# KiCad board scanhead_pcb.kicad_pcb (continued)
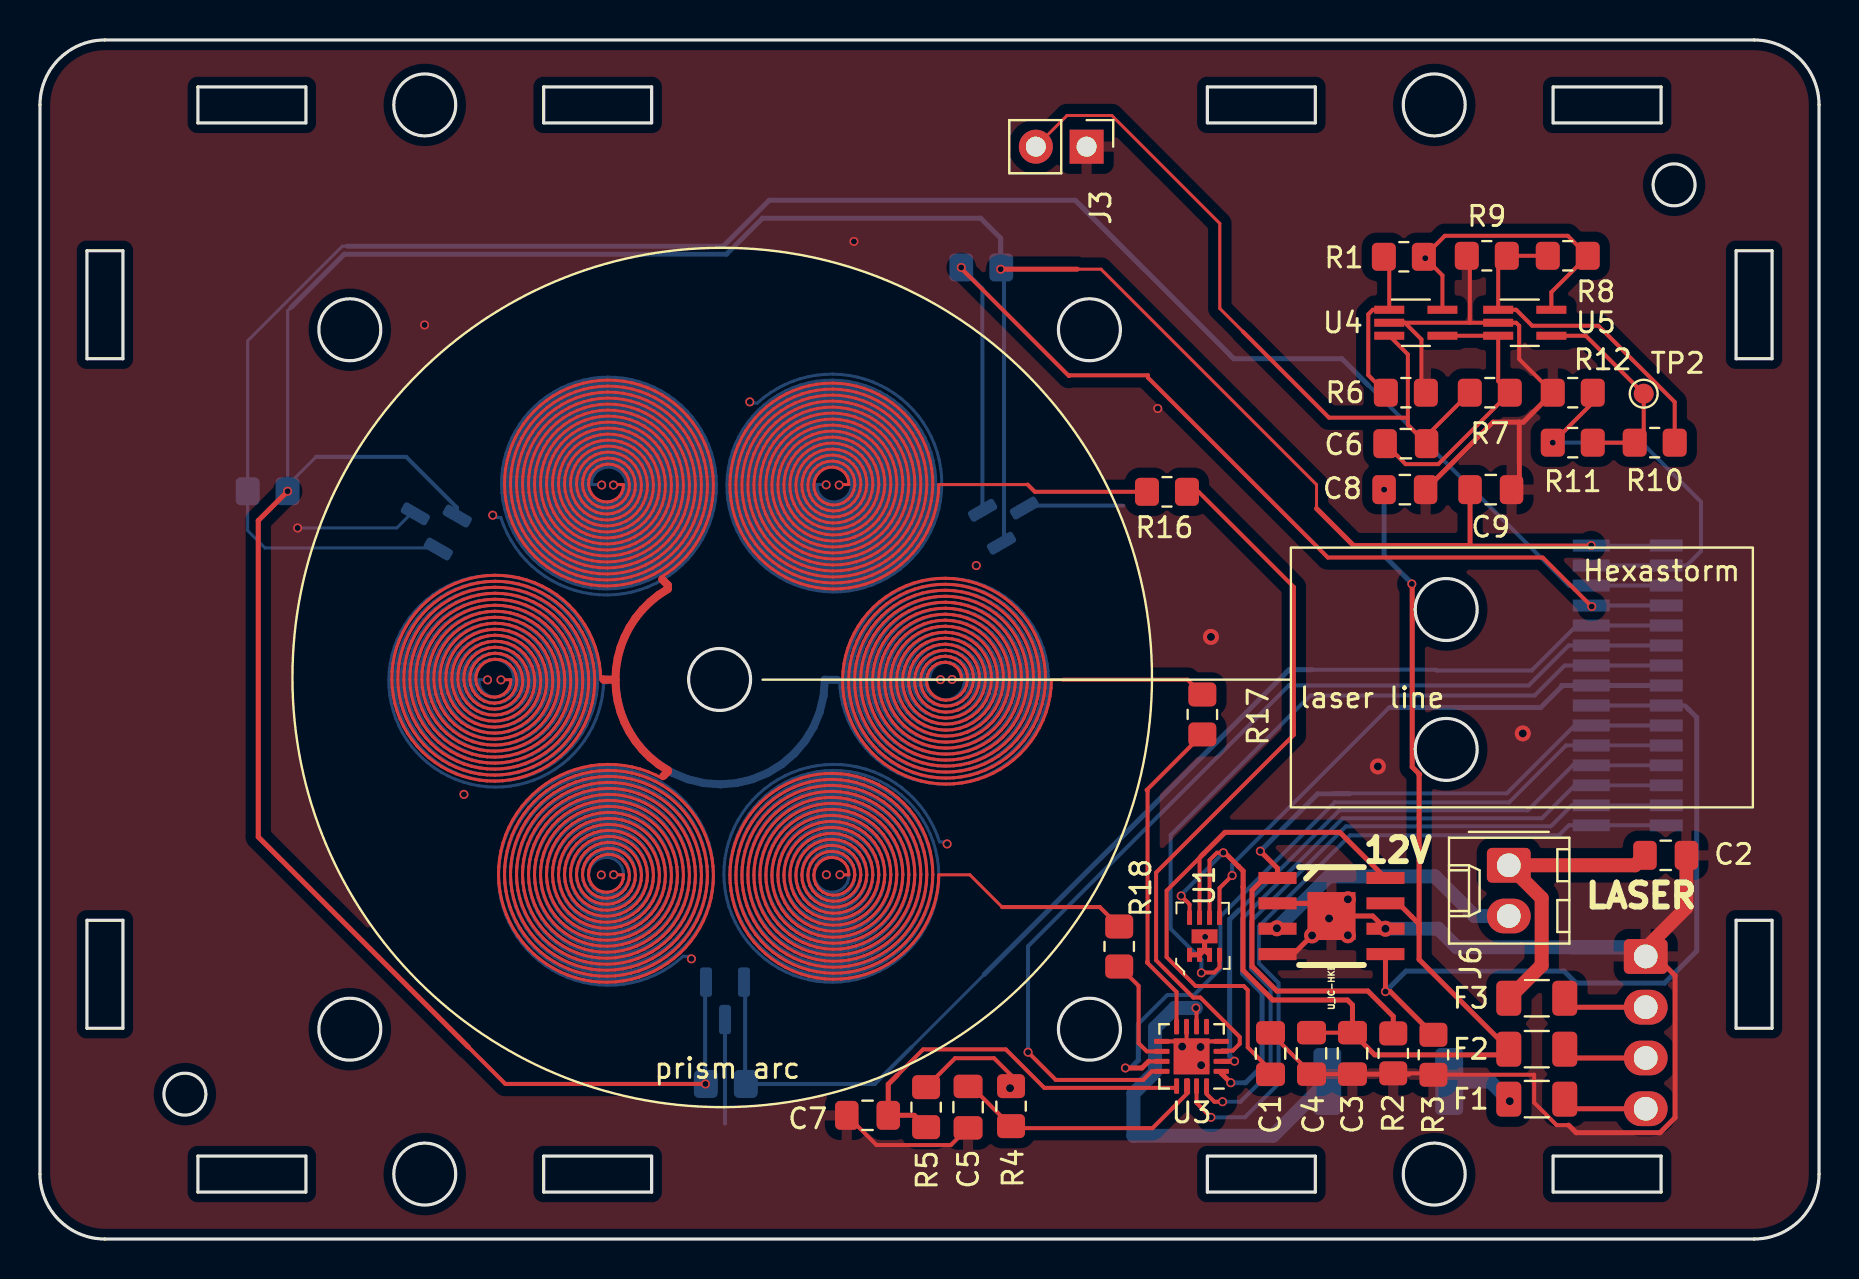
[diagram p0: board, top side]
## Routing (per net, layer and track width the routed paths; a pad name or vN(x,y) marks a point on that pad's centre or on a via; arc(x,y) is an arc through that point) (continued)
22.09,26.16 21.78,26.3 21.49,26.49 21.25,26.73 21.04,27 20.89,27.31 20.79,27.64 20.75,27.99 20.77,28.3 20.84,28.61 20.95,28.91 21.11,29.18 21.31,29.43 21.55,29.64 21.82,29.82 22.12,29.95 22.43,30.03 22.75,30.06 23.08,30.05 23.4,29.98 23.7,29.86 23.99,29.69 24.25,29.48 24.47,29.24 24.65,28.96 24.78,28.65 24.87,28.32 24.9,27.99 24.88,27.65 24.81,27.32 24.69,27 24.52,26.71 24.3,26.44 24.04,26.21 23.75,26.03 23.43,25.89 23.1,25.8 22.75,25.76 22.4,25.78 22.06,25.86 21.73,25.99 21.43,26.16 21.15,26.39 20.92,26.66 20.72,26.96 20.58,27.28 20.49,27.63 20.45,27.99 20.47,28.32 20.53,28.64 20.64,28.95 20.79,29.25 20.99,29.52 21.22,29.76 21.48,29.96 21.77,30.13 22.09,30.26 22.41,30.33 22.75,30.36 23.09,30.35 23.42,30.28 23.75,30.17 24.05,30.01 24.33,29.81 24.58,29.57 24.79,29.3 24.96,29 25.09,28.68 25.17,28.34 25.2,27.99 25.18,27.64 25.12,27.3 25,26.96 24.84,26.65 24.63,26.36 24.38,26.11 24.1,25.89 23.79,25.71 23.46,25.58 23.11,25.5 22.75,25.46 22.39,25.48 22.04,25.55 21.69,25.67 21.37,25.84 21.08,26.06 20.81,26.31 20.59,26.6 20.41,26.92 20.27,27.26 20.19,27.62 20.15,27.99 20.17,28.33 20.23,28.67 20.33,28.99 20.48,29.3 20.66,29.59 20.89,29.85 21.14,30.09 21.43,30.28 21.74,30.44 22.06,30.56 22.4,30.64 22.75,30.66 23.1,30.65 23.45,30.59 23.78,30.48 24.1,30.33 24.4,30.14 24.67,29.91 24.91,29.64 25.11,29.35 25.28,29.03 25.4,28.7 25.47,28.35 25.5,27.99 25.48,27.63 25.42,27.27 25.31,26.93 25.16,26.6 24.96,26.3 24.72,26.02 24.45,25.77 24.15,25.56 23.83,25.4 23.48,25.27 23.12,25.19 22.75,25.16 22.38,25.18 22.02,25.25 21.66,25.36 21.33,25.52 21.01,25.72 20.73,25.97 20.48,26.24 20.26,26.55 20.09,26.89 19.96,27.24 19.88,27.61 19.85,27.99 19.87,28.34 19.93,28.69 20.02,29.02 20.16,29.35 20.34,29.65 20.56,29.94 20.8,30.19 21.08,30.41 21.38,30.6 21.7,30.75 22.04,30.87 22.39,30.94 22.75,30.96 23.11,30.95 23.47,30.89 23.81,30.79 24.15,30.64 24.46,30.46 24.75,30.24 25.01,29.99 25.24,29.71 25.43,29.4 25.59,29.06 25.7,28.72 25.77,28.36 25.8,27.99 25.79,27.62 25.72,27.26 25.62,26.9 25.47,26.56 25.29,26.24 25.06,25.94 24.8,25.68 24.51,25.44 24.19,25.24 23.85,25.08 23.5,24.97 23.13,24.89 22.75,24.86 22.37,24.88 22,24.94 21.64,25.05 21.29,25.2 20.96,25.39 20.66,25.62 20.38,25.89 20.14,26.19 19.94,26.51 19.78,26.86 19.66,27.23 19.58,27.6 19.55,27.99 19.57,28.35 19.62,28.7 19.72,29.05 19.85,29.39 20.02,29.71 20.22,30 20.46,30.28 20.73,30.52 21.02,30.74 21.34,30.92 21.68,31.07 22.03,31.17 22.39,31.24 22.75,31.26 23.12,31.25 23.48,31.19 23.84,31.1 24.18,30.96 24.51,30.79 24.81,30.57 25.09,30.33 25.35,30.06 25.57,29.76 25.75,29.43 25.9,29.09 26.01,28.73 26.08,28.36 26.1,27.99 26.09,27.61 26.03,27.24 25.93,26.88 25.79,26.53 25.61,26.19 25.4,25.88 25.15,25.59 24.87,25.34 24.56,25.11 24.23,24.92 23.88,24.77 23.51,24.66 23.13,24.59 22.75,24.56 22.37,24.58 21.99,24.64 21.62,24.74 21.26,24.88 20.92,25.07 20.6,25.29 20.3,25.54 20.04,25.83 19.81,26.14 19.62,26.48 19.46,26.84 19.35,27.21 19.28,27.6 19.25,27.99 19.27,28.36 19.32,28.72 19.41,29.08 19.54,29.42 19.7,29.75 19.9,30.06 20.12,30.35 20.38,30.62 20.67,30.86 20.98,31.06 21.31,31.24 21.65,31.38 22.01,31.48 22.38,31.54 22.75,31.56 23.13,31.55 23.5,31.5 23.86,31.4 24.21,31.27 24.55,31.11 24.87,30.91 25.17,30.67 25.44,30.41 25.68,30.12 25.89,29.8 26.07,29.47 26.21,29.11 26.31,28.75 26.38,28.37 26.4,27.99 26.39,27.61 26.33,27.23 26.24,26.86 26.1,26.5 25.93,26.15 25.73,25.83 25.49,25.52 25.22,25.25 24.92,25 24.6,24.79 24.26,24.6 23.9,24.46 23.52,24.36 23.14,24.29 22.75,24.26 22.36,24.28 21.98,24.34 21.6,24.43 21.23,24.57 20.88,24.74 20.54,24.95 20.24,25.2 19.95,25.47 19.7,25.77 19.48,26.1 19.3,26.45 19.15,26.82 19.04,27.2 18.98,27.59 18.95,27.99 18.97,28.36 19.02,28.73 19.1,29.1 19.22,29.45 19.38,29.79 19.57,30.12 19.79,30.42 20.04,30.7 20.31,30.96 20.61,31.19 20.94,31.39 21.28,31.55 21.63,31.68 22,31.78 22.37,31.84 22.75,31.86 23.13,31.85 23.51,31.8 23.88,31.71 24.24,31.59 24.59,31.43 24.92,31.23 25.23,31.01 25.52,30.76 25.78,30.47 26.01,30.17 26.21,29.84 26.38,29.49 26.52,29.13 26.62,28.76 26.68,28.38 26.7,27.99 26.69,27.6 26.64,27.22 26.55,26.84 26.42,26.47 26.26,26.12 26.06,25.78 25.83,25.46 25.57,25.17 25.28,24.9 24.97,24.67 24.64,24.46 24.29,24.29 23.92,24.15 23.54,24.05 23.15,23.99 22.75,23.96 22.36,23.98 21.96,24.03 21.58,24.12 21.2,24.25 20.84,24.42 20.5,24.62 20.18,24.85 19.88,25.12 19.61,25.41 19.37,25.73 19.16,26.07 18.98,26.43 18.84,26.8 18.74,27.19 18.68,27.59 18.65,27.99 18.67,28.37 18.71,28.74 18.8,29.11 18.91,29.48 19.06,29.83 19.24,30.16 19.46,30.48 19.7,30.78 19.96,31.05 20.25,31.3 20.57,31.52 20.9,31.71 21.25,31.87 21.61,31.99 21.99,32.08 22.37,32.14 22.75,32.16 23.14,32.15 23.52,32.1 23.9,32.02 24.27,31.9 24.62,31.75 24.96,31.56 25.29,31.35 25.59,31.1 25.87,30.83 26.12,30.53 26.34,30.21 26.54,29.87 26.7,29.52 26.83,29.15 26.92,28.77 26.98,28.38 27,27.99 26.99,27.6 26.94,27.21 26.85,26.82 26.73,26.45 26.58,26.09 26.39,25.74 26.17,25.41 25.92,25.1 25.64,24.82 25.34,24.56 25.01,24.33 24.67,24.14 24.31,23.97 23.93,23.84 23.55,23.75 23.15,23.69 22.75,23.66 22.35,23.68 21.96,23.73 21.56,23.82 21.18,23.94 20.81,24.1 20.46,24.29 20.13,24.51 19.81,24.77 19.53,25.05 19.27,25.36 19.03,25.69 18.83,26.04 18.67,26.41 18.53,26.79 18.44,27.18 18.38,27.58 18.35,27.99 18.36,28.37 18.41,28.75 18.49,29.13 18.6,29.5 18.75,29.86 18.92,30.2 19.12,30.53 19.36,30.84 19.61,31.13 19.9,31.39 20.2,31.63 20.53,31.84 20.87,32.03 21.23,32.18 21.6,32.3 21.98,32.39 22.36,32.44 22.75,32.46 23.14,32.45 23.53,32.4 23.91,32.32 24.29,32.21 24.65,32.06 25,31.89 25.34,31.68 25.65,31.44 25.94,31.18 26.21,30.89 26.46,30.58 26.67,30.25 26.86,29.9 27.01,29.54 27.13,29.16 27.22,28.78 27.28,28.39 27.3,27.99 27.29,27.59 27.24,27.2 27.16,26.81 27.04,26.43 26.89,26.06 26.71,25.7 26.5,25.36 26.26,25.04 26,24.75 25.7,24.47 25.39,24.22 25.05,24.01 24.7,23.82 24.33,23.66 23.95,23.53 23.55,23.44 23.15,23.39 22.75,23.36 22.35,23.38 21.95,23.43 21.55,23.51 21.16,23.63 20.79,23.78 20.43,23.96 20.08,24.18 19.76,24.42 19.46,24.69 19.18,24.99 18.93,25.31 18.7,25.65 18.51,26.01 18.35,26.39 18.22,26.78 18.13,27.17 18.07,27.58 18.05,27.99 18.06,28.38 18.11,28.76 18.18,29.15 18.29,29.52 18.43,29.89 18.6,30.24 18.79,30.58 19.02,30.9 19.27,31.2 19.54,31.48 19.84,31.73 20.16,31.96 20.49,32.17 20.84,32.34 21.21,32.49 21.58,32.61 21.97,32.69 22.36,32.74 22.75,32.76 23.15,32.75 23.54,32.71 23.93,32.63 24.31,32.52 24.68,32.38 25.04,32.21 25.38,32.01 25.7,31.78 26.01,31.53 26.29,31.25 26.55,30.95 26.79,30.63 27,30.29 27.18,29.93 27.32,29.56 27.44,29.18 27.53,28.79 27.58,28.39 27.6,27.99 27.59,27.59 27.54,27.19 27.47,26.8 27.35,26.41 27.21,26.03 27.04,25.67 26.84,25.32 26.6,24.99 26.35,24.68 26.06,24.39 25.76,24.13 25.43,23.89 25.08,23.68 24.72,23.5 24.35,23.35 23.96,23.23 23.56,23.14 23.16,23.09 22.75,23.06 22.34,23.08 21.94,23.12 21.54,23.2 21.15,23.32 20.77,23.46 20.4,23.64 20.04,23.84 19.71,24.08 19.39,24.34 19.1,24.63 18.83,24.94 18.59,25.27 18.38,25.62 18.19,25.99 18.04,26.37 17.92,26.76 17.83,27.17 17.77,27.58 17.75,27.99 17.76,28.38 17.81,28.77 17.88,29.16 17.98,29.54 18.12,29.91 18.28,30.27 18.47,30.62 18.68,30.95 18.92,31.26 19.19,31.55 19.48,31.82 19.79,32.07 20.11,32.29 20.46,32.49 20.82,32.66 21.19,32.8 21.57,32.91 21.96,32.99 22.35,33.04 22.75,33.06 23.15,33.05 23.55,33.01 23.94,32.94 24.32,32.83 24.7,32.7 25.07,32.53 25.42,32.34 25.75,32.12 26.07,31.87 26.37,31.6 26.64,31.31 26.89,31 27.12,30.67 27.32,30.32 27.49,29.95 27.64,29.58 27.75,29.19 27.83,28.79 27.88,28.39 27.9,27.99 27.89,27.58 27.85,27.18 27.77,26.78 27.66,26.39 27.53,26.01 27.36,25.64 27.17,25.28 26.94,24.94 26.69,24.62 26.42,24.32 26.12,24.04 25.81,23.79 25.47,23.56 25.11,23.35 24.74,23.18 24.36,23.03 23.97,22.92 23.57,22.84 23.16,22.78 22.75,22.76 22.34,22.78 21.93,22.82 21.53,22.9 21.13,23.01 20.75,23.14 20.37,23.31 20.01,23.51 19.66,23.74 19.34,23.99 19.03,24.27 18.75,24.57 18.49,24.89 18.26,25.23 18.05,25.59 17.87,25.97 17.73,26.36 17.61,26.75 17.52,27.16 17.47,27.57 17.45,27.99 17.46,28.39 17.5,28.78 17.57,29.17 17.67,29.56 17.8,29.93 17.96,30.3 18.14,30.65 18.35,30.99 18.58,31.31 18.84,31.62 19.12,31.9 19.42,32.17 19.74,32.41 20.08,32.62 20.43,32.81 20.79,32.98 21.17,33.11 21.56,33.22 21.95,33.3 22.35,33.35 22.75,33.36 23.15,33.35 23.55,33.31 23.95,33.24 24.34,33.14 24.72,33.01 25.09,32.85 25.45,32.67 25.8,32.45 26.12,32.22 26.43,31.96 26.72,31.67 26.99,31.37 27.23,31.04 27.45,30.7 27.64,30.34 27.81,29.97 27.95,29.59 28.05,29.2 28.13,28.8 28.18,28.4 28.2,27.99 28.19,27.58 28.15,27.18 28.08,26.77 27.97,26.38 27.84,25.99 27.68,25.62 27.49,25.25 27.28,24.9 27.04,24.57 26.77,24.26 26.49,23.97 26.18,23.69 25.85,23.45 25.5,23.23 25.14,23.03 24.76,22.86 24.38,22.72 23.98,22.61 23.57,22.53 23.16,22.48 22.75,22.46 22.34,22.48 21.93,22.52 21.52,22.59 21.52,22.59 21.22,22.29 ; 32.56,14.05 32.41,14.2 32.41,14.49 32.68,14.81 32.92,15.14 33.13,15.49 33.32,15.85 33.48,16.23 33.61,16.61 33.71,17.01 33.79,17.41 33.83,17.82 33.84,18.22 33.82,18.63 33.77,19.04 33.69,19.44 33.58,19.83 33.45,20.21 33.28,20.58 33.09,20.94 32.87,21.28 32.63,21.6 32.36,21.91 32.07,22.19 31.76,22.45 31.43,22.69 31.09,22.9 30.73,23.09 30.36,23.24 29.98,23.37 29.59,23.48 29.19,23.55 28.79,23.59 28.39,23.6 27.99,23.58 27.59,23.53 27.2,23.45 26.81,23.35 26.43,23.21 26.07,23.05 25.71,22.86 25.38,22.64 25.06,22.4 24.76,22.14 24.48,21.85 24.22,21.55 23.99,21.23 23.78,20.89 23.6,20.53 23.44,20.17 23.31,19.79 23.21,19.41 23.14,19.02 23.1,18.62 23.09,18.22 23.11,17.81 23.16,17.4 23.25,16.99 23.36,16.59 23.51,16.2 23.69,15.83 23.89,15.47 24.13,15.13 24.38,14.8 24.67,14.5 24.97,14.23 25.3,13.97 25.65,13.75 26.01,13.55 26.38,13.38 26.77,13.24 27.17,13.13 27.57,13.06 27.98,13.01 28.39,13 28.8,13.02 29.21,13.07 29.61,13.16 30,13.27 30.38,13.41 30.75,13.59 31.11,13.79 31.44,14.02 31.76,14.28 32.06,14.56 32.33,14.86 32.58,15.18 32.8,15.52 33,15.88 33.16,16.25 33.3,16.63 33.41,17.02 33.48,17.42 33.53,17.82 33.54,18.22 33.52,18.63 33.47,19.03 33.39,19.42 33.27,19.81 33.13,20.19 32.96,20.55 32.76,20.9 32.53,21.23 32.28,21.55 32,21.84 31.71,22.11 31.39,22.35 31.05,22.57 30.7,22.77 30.34,22.93 29.96,23.07 29.58,23.17 29.18,23.24 28.79,23.29 28.39,23.3 27.99,23.28 27.6,23.23 27.21,23.15 26.83,23.04 26.45,22.9 26.1,22.73 25.75,22.53 25.42,22.31 25.12,22.06 24.83,21.79 24.56,21.49 24.32,21.18 24.1,20.85 23.91,20.51 23.75,20.15 23.62,19.77 23.52,19.39 23.44,19.01 23.4,18.62 23.39,18.22 23.41,17.81 23.47,17.4 23.55,17 23.68,16.61 23.83,16.22 24.01,15.86 24.23,15.51 24.47,15.17 24.74,14.86 25.03,14.58 25.35,14.31 25.68,14.08 26.03,13.87 26.4,13.7 26.79,13.55 27.18,13.44 27.58,13.36 27.98,13.31 28.39,13.3 28.8,13.32 29.2,13.37 29.6,13.46 29.98,13.58 30.36,13.73 30.72,13.91 31.07,14.12 31.4,14.36 31.7,14.63 31.98,14.92 32.24,15.23 32.47,15.56 32.68,15.91 32.85,16.27 32.99,16.64 33.1,17.03 33.18,17.43 33.23,17.82 33.24,18.22 33.22,18.63 33.17,19.02 33.08,19.41 32.96,19.79 32.81,20.17 32.63,20.52 32.43,20.86 32.19,21.18 31.93,21.49 31.65,21.76 31.34,22.02 31.02,22.25 30.67,22.45 30.32,22.62 29.95,22.76 29.56,22.87 29.18,22.94 28.78,22.99 28.39,23 28,22.98 27.6,22.93 27.22,22.84 26.84,22.73 26.48,22.58 26.13,22.4 25.79,22.2 25.48,21.97 25.18,21.71 24.91,21.43 24.66,21.13 24.43,20.81 24.24,20.47 24.07,20.12 23.93,19.76 23.82,19.38 23.75,19 23.7,18.61 23.69,18.22 23.71,17.82 23.77,17.41 23.86,17.01 23.99,16.62 24.15,16.25 24.34,15.89 24.56,15.55 24.81,15.23 25.09,14.93 25.4,14.66 25.72,14.41 26.06,14.2 26.43,14.01 26.8,13.86 27.19,13.75 27.58,13.66 27.99,13.61 28.39,13.6 28.79,13.62 29.19,13.68 29.58,13.77 29.97,13.89 30.34,14.05 30.69,14.24 31.03,14.46 31.34,14.71 31.63,14.98 31.9,15.28 32.14,15.6 32.35,15.94 32.53,16.29 32.68,16.66 32.8,17.04 32.88,17.43 32.93,17.83 32.94,18.22 32.92,18.62 32.86,19.01 32.77,19.4 32.65,19.78 32.49,20.14 32.31,20.49 32.09,20.82 31.85,21.13 31.58,21.42 31.29,21.68 30.97,21.91 30.64,22.12 30.29,22.3 29.93,22.45 29.55,22.56 29.17,22.64 28.78,22.69 28.39,22.7 28,22.68 27.61,22.62 27.23,22.54 26.86,22.41 26.51,22.26 26.16,22.08 25.84,21.87 25.53,21.63 25.25,21.36 24.99,21.07 24.76,20.77 24.56,20.44 24.38,20.09 24.24,19.74 24.13,19.37 24.05,18.99 24,18.61 23.99,18.22 24.01,17.82 24.07,17.42 24.17,17.02 24.3,16.64 24.47,16.27 24.67,15.92 24.9,15.59 25.16,15.28 25.45,15 25.76,14.75 26.1,14.53 26.45,14.33 26.82,14.18 27.2,14.05 27.59,13.96 27.99,13.91 28.39,13.9 28.79,13.92 29.18,13.98 29.57,14.08 29.95,14.21 30.31,14.37 30.65,14.57 30.98,14.8 31.28,15.05 31.56,15.34 31.81,15.65 32.03,15.97 32.21,16.32 32.37,16.68 32.49,17.06 32.58,17.44 32.63,17.83 32.64,18.22 32.62,18.62 32.56,19 32.46,19.38 32.34,19.75 32.17,20.11 31.98,20.45 31.76,20.77 31.5,21.06 31.23,21.34 30.92,21.58 30.6,21.8 30.26,21.98 29.9,22.13 29.54,22.25 29.16,22.34 28.78,22.39 28.39,22.4 28,22.38 27.62,22.32 27.25,22.23 26.89,22.1 26.54,21.94 26.21,21.75 25.89,21.53 25.6,21.28 25.33,21.01 25.09,20.71 24.88,20.4 24.7,20.06 24.55,19.71 24.43,19.35 24.35,18.98 24.3,18.6 24.29,18.22 24.31,17.82 24.38,17.43 24.48,17.04 24.62,16.66 24.79,16.3 25,15.96 25.25,15.64 25.52,15.35 25.82,15.09 26.14,14.85 26.48,14.65 26.84,14.49 27.22,14.36 27.6,14.27 27.99,14.21 28.39,14.2 28.78,14.22 29.17,14.29 29.55,14.39 29.92,14.52 30.28,14.7 30.61,14.9 30.92,15.14 31.21,15.41 31.47,15.7 31.7,16.01 31.89,16.35 32.06,16.71 32.18,17.07 32.27,17.45 32.33,17.84 32.34,18.22 32.32,18.61 32.25,18.99 32.16,19.37 32.02,19.73 31.85,20.08 31.65,20.4 31.42,20.71 31.16,20.99 30.87,21.25 30.56,21.47 30.23,21.66 29.88,21.82 29.52,21.95 29.15,22.03 28.77,22.09 28.39,22.1 28.01,22.08 27.64,22.02 27.27,21.92 26.91,21.79 26.57,21.62 26.25,21.42 25.95,21.19 25.68,20.94 25.43,20.66 25.21,20.35 25.02,20.03 24.86,19.69 24.74,19.33 24.65,18.97 24.6,18.6 24.59,18.22 24.62,17.83 24.68,17.44 24.79,17.06 24.94,16.69 25.12,16.34 25.34,16.01 25.59,15.71 25.87,15.43 26.18,15.19 26.51,14.98 26.87,14.8 27.23,14.67 27.61,14.57 28,14.52 28.39,14.5 28.78,14.53 29.16,14.59 29.54,14.7 29.9,14.84 30.24,15.02 30.56,15.24 30.86,15.48 31.13,15.76 31.37,16.06 31.57,16.39 31.74,16.73 31.88,17.09 31.97,17.46 32.02,17.84 32.04,18.22 32.01,18.61 31.95,18.98 31.85,19.35 31.71,19.7 31.53,20.04 31.32,20.35 31.08,20.64 30.81,20.91 30.51,21.14 30.19,21.34 29.85,21.51 29.5,21.64 29.13,21.73 28.76,21.79 28.39,21.8 28.02,21.78 27.65,21.71 27.29,21.61 26.94,21.47 26.61,21.3 26.31,21.09 26.02,20.86 25.76,20.59 25.53,20.3 25.34,19.99 25.17,19.66 25.05,19.31 24.96,18.95 24.9,18.59 24.89,18.22 24.92,17.83 24.99,17.45 25.1,17.07 25.26,16.72 25.45,16.38 25.68,16.06 25.94,15.78 26.23,15.52 26.55,15.3 26.89,15.12 27.25,14.98 27.62,14.88 28.01,14.82 28.39,14.8 28.77,14.83 29.15,14.9 29.52,15.01 29.87,15.16 30.2,15.35 30.5,15.57 30.78,15.83 31.03,16.12 31.25,16.43 31.43,16.76 31.57,17.11 31.67,17.48 31.72,17.85 31.74,18.22 31.71,18.6 31.65,18.97 31.54,19.33 31.39,19.67 31.2,19.99 30.98,20.29 30.73,20.57 30.45,20.81 30.15,21.02 29.82,21.19 29.48,21.33 29.12,21.43 28.76,21.48 28.39,21.5 28.02,21.47 27.66,21.41 27.31,21.3 26.98,21.16 26.66,20.98 26.37,20.76 26.1,20.51 25.86,20.24 25.66,19.94 25.49,19.62 25.35,19.29 25.26,18.94 25.2,18.58 25.19,18.22 25.22,17.84 25.29,17.46 25.41,17.1 25.58,16.75 25.78,16.42 26.02,16.13 26.29,15.86 26.6,15.63 26.93,15.44 27.28,15.29 27.64,15.18 28.01,15.12 28.39,15.1 28.77,15.13 29.13,15.2 29.49,15.32 29.83,15.48 30.15,15.68 30.44,15.91 30.7,16.18 30.92,16.48 31.11,16.8 31.26,17.14 31.36,17.49 31.42,17.86 31.44,18.22 31.41,18.59 31.34,18.95 31.23,19.3 31.07,19.63 30.88,19.94 30.65,20.22 30.39,20.48 30.1,20.7 29.78,20.88 29.45,21.02 29.1,21.12 28.75,21.18 28.39,21.2 28.03,21.17 27.68,21.1 27.34,20.99 27.02,20.84 26.72,20.65 26.44,20.43 26.19,20.17 25.98,19.89 25.8,19.58 25.66,19.26 25.56,18.92 25.5,18.58 25.49,18.22 25.52,17.85 25.6,17.48 25.73,17.12 25.9,16.79 26.11,16.48 26.37,16.2 26.65,15.96 26.96,15.76 27.3,15.6 27.66,15.48 28.02,15.42 28.39,15.4 28.76,15.43 29.12,15.51 29.46,15.63 29.79,15.8 30.09,16.01 30.36,16.25 30.6,16.53 30.79,16.84 30.95,17.17 31.06,17.51 31.12,17.87 31.14,18.22 31.11,18.58 31.03,18.93 30.91,19.27 30.75,19.59 30.55,19.88 30.31,20.14 30.04,20.37 29.74,20.56 29.42,20.71 29.09,20.82 28.74,20.88 28.39,20.9 28.04,20.87 27.7,20.8 27.37,20.68 27.06,20.52 26.78,20.32 26.52,20.09 26.3,19.83 26.12,19.54 25.97,19.23 25.87,18.9 25.81,18.57 25.79,18.22 25.82,17.86 25.91,17.5 26.04,17.15 26.23,16.83 26.45,16.54 26.71,16.29 27.01,16.08 27.33,15.91 27.67,15.79 28.03,15.72 28.39,15.7 28.75,15.73 29.1,15.82 29.43,15.95 29.74,16.12 30.02,16.34 30.27,16.6 30.47,16.89 30.64,17.2 30.75,17.53 30.82,17.88 30.84,18.22 30.81,18.57 30.73,18.91 30.6,19.23 30.43,19.53 30.22,19.81 29.97,20.05 29.69,20.25 29.38,20.4 29.06,20.52 28.73,20.58 28.39,20.6 28.05,20.57 27.72,20.49 27.41,20.37 27.12,20.2 26.86,19.99 26.63,19.75 26.43,19.48 26.28,19.19 26.17,18.88 26.11,18.55 26.09,18.22 26.13,17.87 26.22,17.52 26.36,17.19 26.55,16.89 26.79,16.63 27.06,16.4 27.37,16.22 27.7,16.09 28.04,16.02 28.39,16 28.74,16.03 29.07,16.12 29.39,16.26 29.68,16.45 29.94,16.68 30.15,16.94 30.33,17.24 30.45,17.56 30.52,17.89 30.54,18.22 30.51,18.56 30.42,18.88 30.29,19.19 30.1,19.47 29.88,19.72 29.63,19.93 29.34,20.09 29.04,20.21 28.72,20.28 28.39,20.3 28.07,20.27 27.75,20.18 27.46,20.05 27.19,19.88 26.95,19.67 26.75,19.42 26.59,19.14 26.47,18.85 26.41,18.54 26.39,18.22 26.43,17.88 26.53,17.55 26.68,17.24 26.88,16.96 27.13,16.72 27.41,16.54 27.73,16.4 28.05,16.32 28.39,16.3 28.72,16.34 29.04,16.43 29.34,16.58 29.61,16.78 29.83,17.01 30.01,17.29 30.14,17.59 30.22,17.9 30.24,18.22 30.2,18.54 30.11,18.85 29.97,19.14 29.78,19.39 29.55,19.61 29.29,19.78 29,19.91 28.7,19.98 28.39,20 28.08,19.96 27.79,19.88 27.51,19.74 27.27,19.56 27.06,19.34 26.9,19.09 26.78,18.81 26.71,18.52 26.69,18.22 26.73,17.9 26.84,17.58 27,17.3 27.21,17.05 27.47,16.85 27.76,16.71 28.07,16.62 28.39,16.6 28.7,16.64 29,16.74 29.28,16.9 29.51,17.1 29.7,17.35 29.84,17.62 29.92,17.92 29.94,18.22 29.9,18.53 29.8,18.81 29.65,19.07 29.46,19.29 29.22,19.47 28.96,19.6 28.68,19.68 28.39,19.7 28.1,19.66 27.83,19.57 27.59,19.43 27.37,19.24 27.2,19.02 27.08,18.77 27.01,18.5 26.99,18.22 27.04,17.92 27.15,17.63 27.32,17.37 27.54,17.16 27.81,17.01 28.09,16.92 28.39,16.9 28.68,16.94 28.96,17.05 29.2,17.21 29.39,17.43 29.53,17.67 29.62,17.94 29.64,18.22 29.6,18.5 29.5,18.76 29.34,18.98 29.14,19.17 28.91,19.3 28.65,19.38 28.39,19.4 28.13,19.36 27.89,19.26 27.68,19.12 27.5,18.93 27.38,18.71 27.31,18.47 27.29,18.22 27.34,17.94 27.46,17.69 27.64,17.47 27.86,17.32 28.12,17.22 28.39,17.2 28.65,17.25 28.89,17.36 29.09,17.53 29.23,17.74 29.32,17.98 29.34,18.22 29.3,18.47 29.19,18.69 29.03,18.87 28.84,19 28.62,19.08 28.39,19.1 28.17,19.06 27.96,18.96 27.8,18.82 27.68,18.64 27.6,18.44 27.59,18.22 28.04,18.22
  In1.Cu w0.4: 31.12,32.96 31.41,32.68 31.41,32.53 30.73,32.06 30.13,31.49 29.63,30.84 29.24,30.12 28.97,29.34 28.82,28.54 28.8,27.72 28.9,26.9 29.14,26.11 29.49,25.37 29.96,24.69 30.52,24.1 31.17,23.6 31.9,23.2 32.67,22.93 33.48,22.78 34.3,22.76 35.12,22.87 35.9,23.1 36.65,23.45 36.65,23.15 36.87,22.92